# Altium PCB CGRA_Board_3.PcbDoc (part 7 of 7)
Units mil, origin at the board's own origin, x right, y up, seen from the top; angles counter-clockwise.
Board outline 10143 x 5538 mil, 10 copper layers (Top Layer, GND, Int2 (Sign), 1V8, Int4 (Sign), Int5 (Sign), 0V8_OUT, Int7 (Sign), GND (Plane4), Bottom Layer), stack 59.156 mil thick; 266 components, 396 nets, 2084 pads, 2900 vias.
Unrouted connection lines stored in the file: 464.
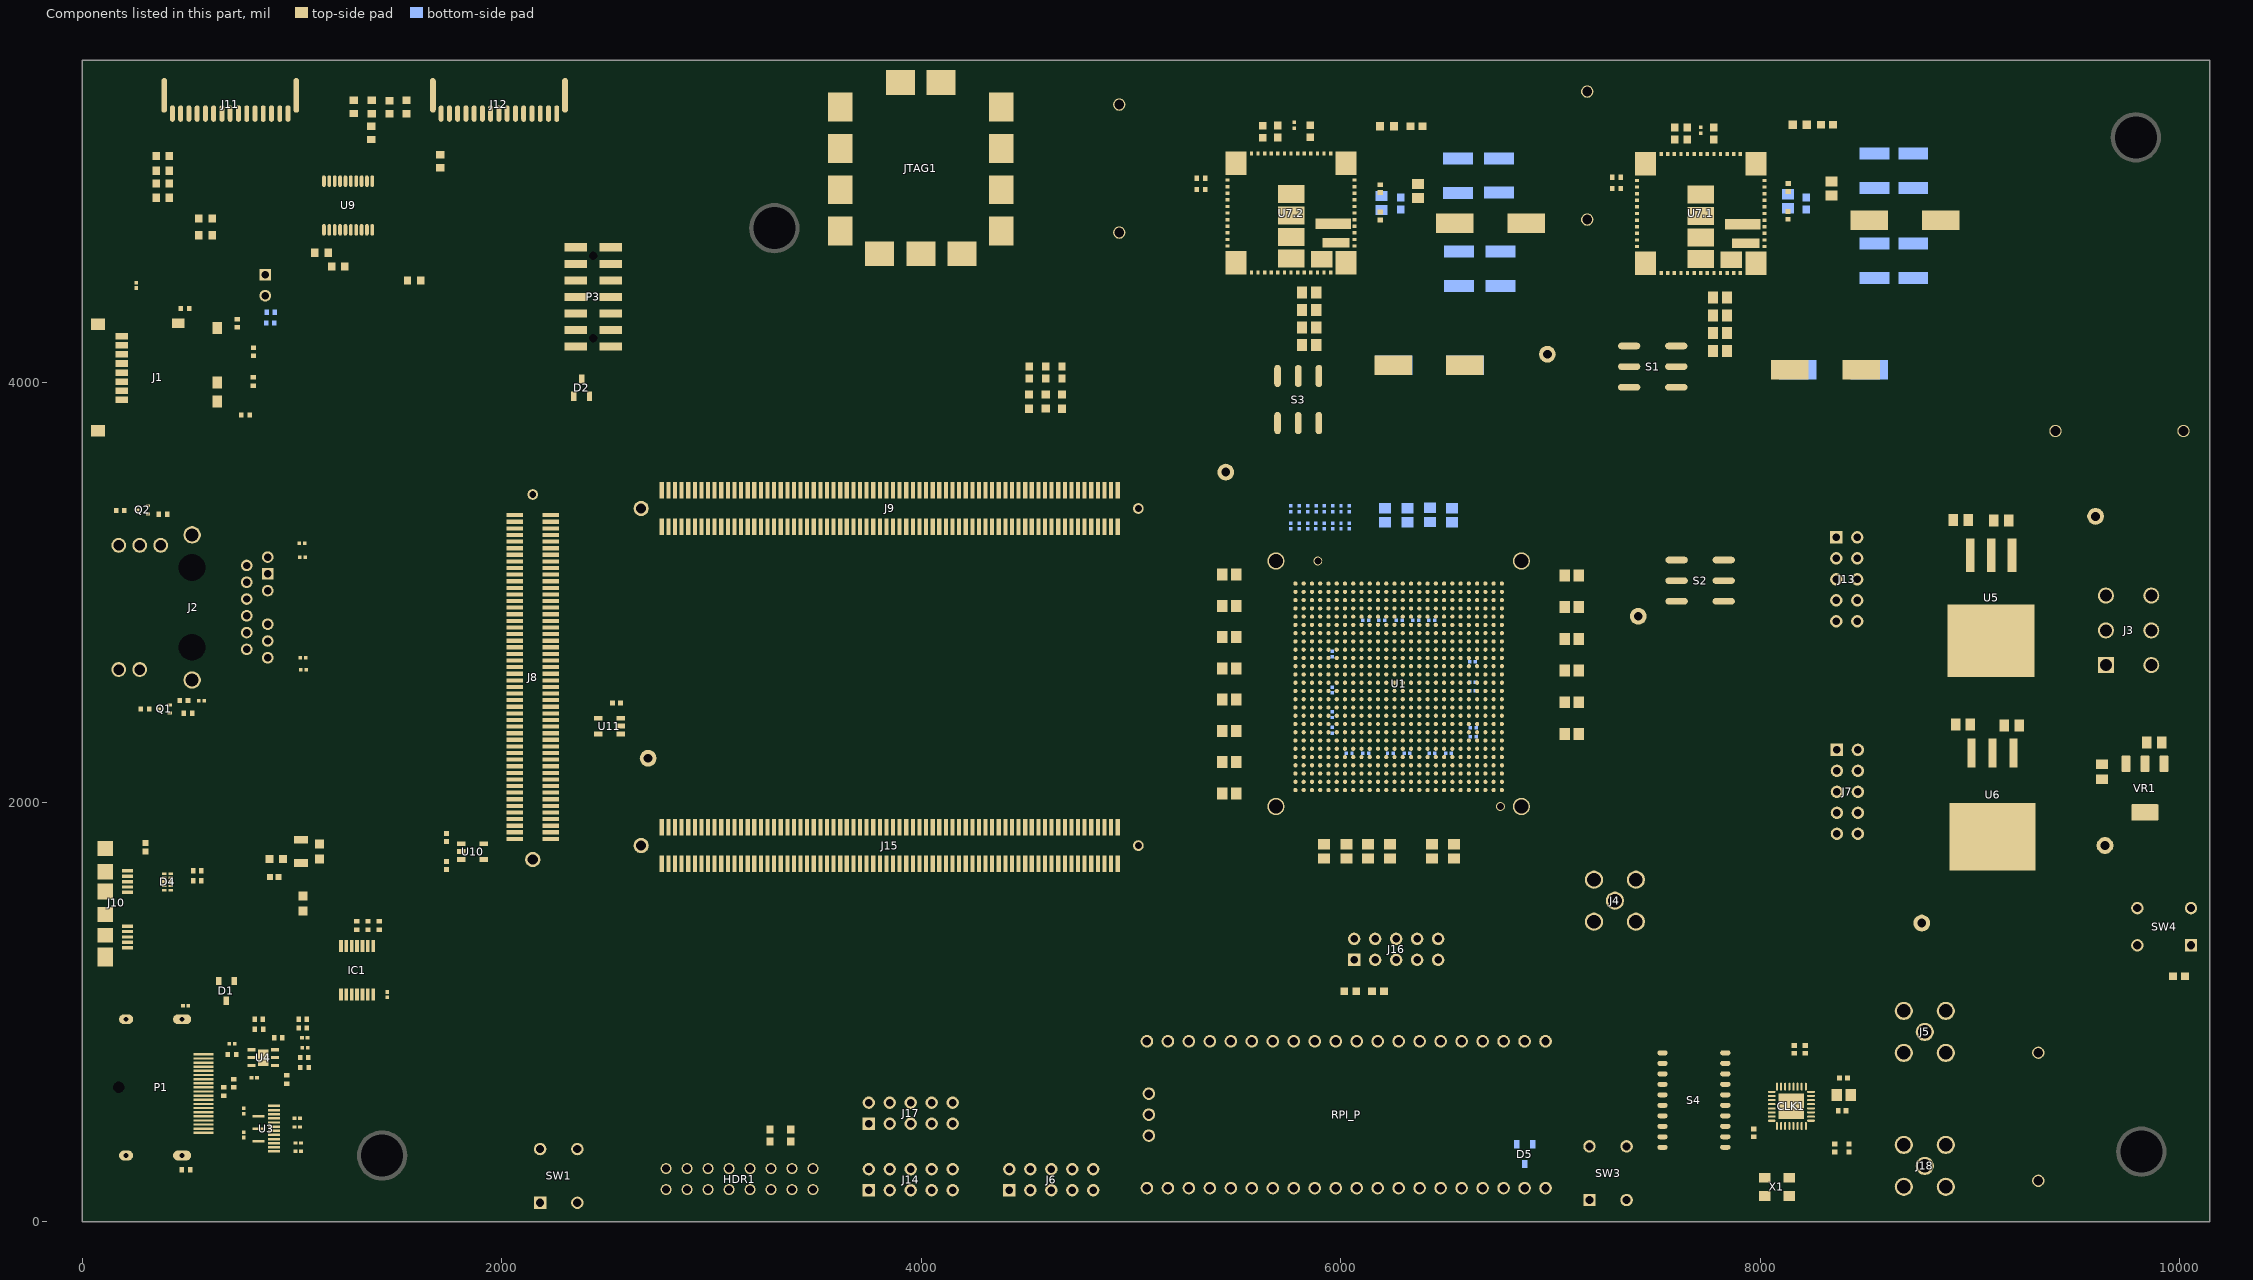
[diagram p15: the components of this part, seen from the top]

## Silkscreen, mask and mechanical layers (free items; w line width, h text height)
Drill Drawing:
  drawing of 191 lines, arcs and shapes, not listed
  text "Symbol" at -1.7,10107 h72
  text "Count" at 504.17,10107 h72
  text "Hole Size" at 1144,10107 h72
  text "Plated" at 2303.66,10107 h72
  text "Hole Type" at 2809.54,10107 h72
  text "Drill Layer Pair" at 3543.34,10107 h72
  text "Via/Pad" at 5042.89,10107 h72
  text "Pad Shape" at 5632.74,10107 h72
  text "Template" at 6378.54,10107 h72
  text "Description" at 7578.18,10107 h72
  text "Hole Tolerance (+)" at 8431.95,10107 h72
  text "Hole Tolerance (-)" at 9765.55,10107 h72
  text "Hole Length" at 11099.16,10107 h72
  text "Routed Path Length" at 12188.84,10107 h72
  text "1" at 504.17,9957 h60
  text "55.12mil (1.400mm)" at 1144,9957 h60
  text "NPTH" at 2303.66,9957 h60
  text "Round" at 2809.54,9957 h60
  text "Top Layer - Bottom Layer" at 3543.34,9957 h60
  text "Pad" at 5042.89,9957 h60
  text "Rounded" at 5632.74,9957 h60
  text "c100hn140" at 6378.54,9957 h60
  text "-" at 11099.16,9957 h60
  text "-" at 12188.84,9957 h60
  text "2" at 504.17,9807 h60
  text "23.62mil (0.600mm)" at 1144,9807 h60
  text "PTH" at 2303.66,9807 h60
  text "Slot" at 2809.54,9807 h60
  text "Top Layer - Bottom Layer" at 3543.34,9807 h60
  text "Pad" at 5042.89,9807 h60
  text "Rounded" at 5632.74,9807 h60
  text "r170_120h60_110r100" at 6378.54,9807 h60
  text "43.31mil (1.100mm)" at 11099.16,9807 h60
  text "19.69mil (0.500mm)" at 12188.84,9807 h60
  text "2" at 504.17,9657 h60
  text "23.62mil (0.600mm)" at 1144,9657 h60
  text "PTH" at 2303.66,9657 h60
  text "Slot" at 2809.54,9657 h60
  text "Top Layer - Bottom Layer" at 3543.34,9657 h60
  text "Pad" at 5042.89,9657 h60
  text "Rounded" at 5632.74,9657 h60
  text "r220_120h60_160r100" at 6378.54,9657 h60
  text "62.99mil (1.600mm)" at 11099.16,9657 h60
  text "39.37mil (1.000mm)" at 12188.84,9657 h60
  text "2" at 504.17,9507 h60
  text "33.47mil (0.850mm)" at 1144,9507 h60
  text "NPTH" at 2303.66,9507 h60
  text "Round" at 2809.54,9507 h60
  text "Top Layer - Bottom Layer" at 3543.34,9507 h60
  text "Pad" at 5042.89,9507 h60
  text "Rounded" at 5632.74,9507 h60
  text "c107hn85m117" at 6378.54,9507 h60
  text "-" at 11099.16,9507 h60
  text "-" at 12188.84,9507 h60
  text "F" at -30.79,9497.01 h66.67
  text "2" at 504.17,9357 h60
  text "39.37mil (1.000mm)" at 1144,9357 h60
  text "NPTH" at 2303.66,9357 h60
  text "Round" at 2809.54,9357 h60
  text "Top Layer - Bottom Layer" at 3543.34,9357 h60
  text "Pad" at 5042.89,9357 h60
  text "Rounded" at 5632.74,9357 h60
  text "c50hn100" at 6378.54,9357 h60
  text "-" at 11099.16,9357 h60
  text "-" at 12188.84,9357 h60
  text "2" at 504.17,9207 h60
  text "61.81mil (1.570mm)" at 1144,9207 h60
  text "PTH" at 2303.66,9207 h60
  text "Round" at 2809.54,9207 h60
  text "Top Layer - Bottom Layer" at 3543.34,9207 h60
  text "Pad" at 5042.89,9207 h60
  text "Rounded" at 5632.74,9207 h60
  text "c210h157" at 6378.54,9207 h60
  text "-" at 11099.16,9207 h60
  text "-" at 12188.84,9207 h60
  text "2" at 504.17,9057 h60
  text "127.95mil (3.250mm)" at 1144,9057 h60
  text "NPTH" at 2303.66,9057 h60
  text "Round" at 2809.54,9057 h60
  text "Top Layer - Bottom Layer" at 3543.34,9057 h60
  text "Pad" at 5042.89,9057 h60
  text "Rounded" at 5632.74,9057 h60
  text "c295hn325" at 6378.54,9057 h60
  text "-" at 11099.16,9057 h60
  text "-" at 12188.84,9057 h60
  text "3" at 504.17,8907 h60
  text "32.68mil (0.830mm)" at 1144,8907 h60
  text "PTH" at 2303.66,8907 h60
  text "Round" at 2809.54,8907 h60
  text "Top Layer - Bottom Layer" at 3543.34,8907 h60
  text "Pad" at 5042.89,8907 h60
  text "Rounded" at 5632.74,8907 h60
  text "c130h83" at 6378.54,8907 h60
  text "-" at 11099.16,8907 h60
  text "-" at 12188.84,8907 h60
  text "3" at 504.17,8757 h60
  text "48.43mil (1.230mm)" at 1144,8757 h60
  text "PTH" at 2303.66,8757 h60
  text "Round" at 2809.54,8757 h60
  text "Top Layer - Bottom Layer" at 3543.34,8757 h60
  text "Pad" at 5042.89,8757 h60
  text "Rounded" at 5632.74,8757 h60
  text "c185h123" at 6378.54,8757 h60
  text "-" at 11099.16,8757 h60
  text "-" at 12188.84,8757 h60
  text "4" at 504.17,8607 h60
  text "66.93mil (1.700mm)" at 1144,8607 h60
  text "NPTH" at 2303.66,8607 h60
  text "Round" at 2809.54,8607 h60
  text "Top Layer - Bottom Layer" at 3543.34,8607 h60
  text "Pad" at 5042.89,8607 h60
  text "Rounded" at 5632.74,8607 h60
  text "c208hn170m218" at 6378.54,8607 h60
  text "-" at 11099.16,8607 h60
  text "-" at 12188.84,8607 h60
  text "E" at -30.79,8597.01 h66.67
  text "4" at 504.17,8457 h60
  text "200.00mil (5.080mm)" at 1144,8457 h60
  text "PTH" at 2303.66,8457 h60
  text "Round" at 2809.54,8457 h60
  text "Top Layer - Bottom Layer" at 3543.34,8457 h60
  text "Pad" at 5042.89,8457 h60
  text "Rounded" at 5632.74,8457 h60
  text "c610h508" at 6378.54,8457 h60
  text "-" at 11099.16,8457 h60
  text "-" at 12188.84,8457 h60
  text "J" at -30.79,8447.01 h66.67
  text "5" at 504.17,8307 h60
  text "50.00mil (1.270mm)" at 1144,8307 h60
  text "PTH" at 2303.66,8307 h60
  text "Round" at 2809.54,8307 h60
  text "Top Layer - Bottom Layer" at 3543.34,8307 h60
  text "Pad" at 5042.89,8307 h60
  text "Rounded" at 5632.74,8307 h60
  text "c180h127" at 6378.54,8307 h60
  text "-" at 11099.16,8307 h60
  text "-" at 12188.84,8307 h60
  text "6" at 504.17,8157 h60
  text "57.09mil (1.450mm)" at 1144,8157 h60
  text "PTH" at 2303.66,8157 h60
  text "Round" at 2809.54,8157 h60
  text "Top Layer - Bottom Layer" at 3543.34,8157 h60
  text "Pad" at 5042.89,8157 h60
  text "(Mixed)" at 5632.74,8157 h60
  text "(Mixed)" at 6378.54,8157 h60
  text "-" at 11099.16,8157 h60
  text "-" at 12188.84,8157 h60
  text "7" at 504.17,8007 h60
  text "42.00mil (1.067mm)" at 1144,8007 h60
  text "PTH" at 2303.66,8007 h60
  text "Round" at 2809.54,8007 h60
  text "Top Layer - Bottom Layer" at 3543.34,8007 h60
  text "Pad" at 5042.89,8007 h60
  text "Rounded" at 5632.74,8007 h60
  text "c203h107" at 6378.54,8007 h60
  text "-" at 11099.16,8007 h60
  text "-" at 12188.84,8007 h60
  text "8" at 504.17,7857 h60
  text "47.24mil (1.200mm)" at 1144,7857 h60
  text "PTH" at 2303.66,7857 h60
  text "Round" at 2809.54,7857 h60
  text "Top Layer - Bottom Layer" at 3543.34,7857 h60
  text "Pad" at 5042.89,7857 h60
  text "Rounded" at 5632.74,7857 h60
  text "c150h120" at 6378.54,7857 h60
  text "-" at 11099.16,7857 h60
  text "-" at 12188.84,7857 h60
  text "A" at -30.79,7847.01 h66.67
  text "12" at 504.17,7707 h60
  text "38.98mil (0.990mm)" at 1144,7707 h60
  text "PTH" at 2303.66,7707 h60
  text "Round" at 2809.54,7707 h60
  text "Top Layer - Bottom Layer" at 3543.34,7707 h60
  text "Pad" at 5042.89,7707 h60
  text "(Mixed)" at 5632.74,7707 h60
  text "(Mixed)" at 6378.54,7707 h60
  text "-" at 11099.16,7707 h60
  text "-" at 12188.84,7707 h60
  text "14" at 504.17,7557 h60
  text "35.04mil (0.890mm)" at 1144,7557 h60
  text "PTH" at 2303.66,7557 h60
  text "Round" at 2809.54,7557 h60
  text "Top Layer - Bottom Layer" at 3543.34,7557 h60
  text "Pad" at 5042.89,7557 h60
  text "(Mixed)" at 5632.74,7557 h60
  text "(Mixed)" at 6378.54,7557 h60
  text "-" at 11099.16,7557 h60
  text "-" at 12188.84,7557 h60
  text "15" at 504.17,7407 h60
  text "8.00mil (0.203mm)" at 1144,7407 h60
  text "PTH" at 2303.66,7407 h60
  text "Round" at 2809.54,7407 h60
  text "Top Layer - Bottom Layer" at 3543.34,7407 h60
  text "Via" at 5042.89,7407 h60
  text "Rounded" at 5632.74,7407 h60
  text "v41h20" at 6378.54,7407 h60
  text "-" at 11099.16,7407 h60
  text "-" at 12188.84,7407 h60
  text "I" at -19.69,7397.01 h66.67
  text "15" at 504.17,7257 h60
  text "64.96mil (1.650mm)" at 1144,7257 h60
  text "PTH" at 2303.66,7257 h60
  text "Round" at 2809.54,7257 h60
  text "Top Layer - Bottom Layer" at 3543.34,7257 h60
  text "Pad" at 5042.89,7257 h60
  text "Rounded" at 5632.74,7257 h60
  text "c220h165" at 6378.54,7257 h60
  text "-" at 11099.16,7257 h60
  text "-" at 12188.84,7257 h60
  text "16" at 504.17,7107 h60
  text "39.00mil (0.991mm)" at 1144,7107 h60
  text "PTH" at 2303.66,7107 h60
  text "Round" at 2809.54,7107 h60
  text "Top Layer - Bottom Layer" at 3543.34,7107 h60
  text "Pad" at 5042.89,7107 h60
  text "Rounded" at 5632.74,7107 h60
  text "c132h99" at 6378.54,7107 h60
  text "-" at 11099.16,7107 h60
  text "-" at 12188.84,7107 h60
  text "C" at -30.79,7097.01 h66.67
  text "30" at 504.17,6957 h60
  text "6.00mil (0.152mm)" at 1144,6957 h60
  text "PTH" at 2303.66,6957 h60
  text "Round" at 2809.54,6957 h60
  text "Top Layer - Bottom Layer" at 3543.34,6957 h60
  text "Via" at 5042.89,6957 h60
  text "Rounded" at 5632.74,6957 h60
  text "v30h15m41" at 6378.54,6957 h60
  text "-" at 11099.16,6957 h60
  text "-" at 12188.84,6957 h60
  text "H" at -30.79,6947.01 h66.67
  text "43" at 504.17,6807 h60
  text "40.16mil (1.020mm)" at 1144,6807 h60
  text "PTH" at 2303.66,6807 h60
  text "Round" at 2809.54,6807 h60
  text "Top Layer - Bottom Layer" at 3543.34,6807 h60
  text "Pad" at 5042.89,6807 h60
  text "Rounded" at 5632.74,6807 h60
  text "c152h102" at 6378.54,6807 h60
  text "-" at 11099.16,6807 h60
  text "-" at 12188.84,6807 h60
  text "60" at 504.17,6657 h60
  text "35.43mil (0.900mm)" at 1144,6657 h60
  text "PTH" at 2303.66,6657 h60
  text "Round" at 2809.54,6657 h60
  text "Top Layer - Bottom Layer" at 3543.34,6657 h60
  text "Pad" at 5042.89,6657 h60
  text "(Mixed)" at 5632.74,6657 h60
  text "(Mixed)" at 6378.54,6657 h60
  text "-" at 11099.16,6657 h60
  text "-" at 12188.84,6657 h60
  text "B" at -30.79,6647.01 h66.67
  text "1099" at 504.17,6507 h60
  text "4.00mil (0.102mm)" at 1144,6507 h60
  text "PTH" at 2303.66,6507 h60
  text "Round" at 2809.54,6507 h60
  text "Top Layer - Bottom Layer" at 3543.34,6507 h60
  text "Via" at 5042.89,6507 h60
  text "Rounded" at 5632.74,6507 h60
  text "(Mixed)" at 6378.54,6507 h60
  text "-" at 11099.16,6507 h60
  text "-" at 12188.84,6507 h60
  text "G" at -30.79,6497.01 h66.67
  text "1756" at 504.17,6357 h60
  text "10.00mil (0.254mm)" at 1144,6357 h60
  text "PTH" at 2303.66,6357 h60
  text "Round" at 2809.54,6357 h60
  text "Top Layer - Bottom Layer" at 3543.34,6357 h60
  text "Via" at 5042.89,6357 h60
  text "Rounded" at 5632.74,6357 h60
  text "v56h25" at 6378.54,6357 h60
  text "-" at 11099.16,6357 h60
  text "-" at 12188.84,6357 h60
  text "K" at -30.79,6347.01 h66.67
  text "3113 Total" at 504.17,6207 h60
  text "Slot definitions :" at -1.7,6062.03 h60
  text "Routed Path Length" at 1030.99,6062.03 h60
  text "= Calculated from tool start centre position to tool end centre position." at 2133.65,6062.03 h60
  text "Hole Length" at 1030.99,5962.05 h60
  text "= Routed Path Length + Tool Size = Slot length as defined in the PCB layout" at 1723.78,5962.05 h60

## Text inside footprints (layer, text, board x,y; h text height)
J6: Top Overlay "10" at 4895,231 h50; Top Overlay "9" at 4895,131 h50; Top Overlay "1" at 4340,131 h50; Top Overlay "2" at 4320,231 h50
J7: Top Overlay "10" at 8443,1769 h50 r270; Top Overlay "9" at 8342,1760 h50 r270; Top Overlay "1" at 8345,2330 h50 r270; Top Overlay "2" at 8445,2350 h50 r270
J10: Mechanical 2 "PCB Edge" at 17.91,1583.72 h24 r270
J13: Top Overlay "10" at 8445,2785 h50 r270; Top Overlay "9" at 8348,2785 h50 r270; Top Overlay "1" at 8342,3343 h50 r270; Top Overlay "2" at 8442,3363 h50 r270
J14: Top Overlay "10" at 4223,231 h50; Top Overlay "9" at 4223,131 h50; Top Overlay "1" at 3670,131 h50; Top Overlay "2" at 3650,231 h50
J16: Top Overlay "10" at 6551.65,1349 h50; Top Overlay "9" at 6550,1221 h50; Top Overlay "1" at 5984,1229 h50; Top Overlay "2" at 5964,1329 h50
J17: Top Overlay "10" at 4223,545.64 h50; Top Overlay "9" at 4223,448 h50; Top Overlay "1" at 3670,448 h50; Top Overlay "2" at 3650,548 h50
U1: Top Overlay "NODOT" at 7028,3291 h19.68 r270